# Altium PCB communication.PcbDoc (continued)
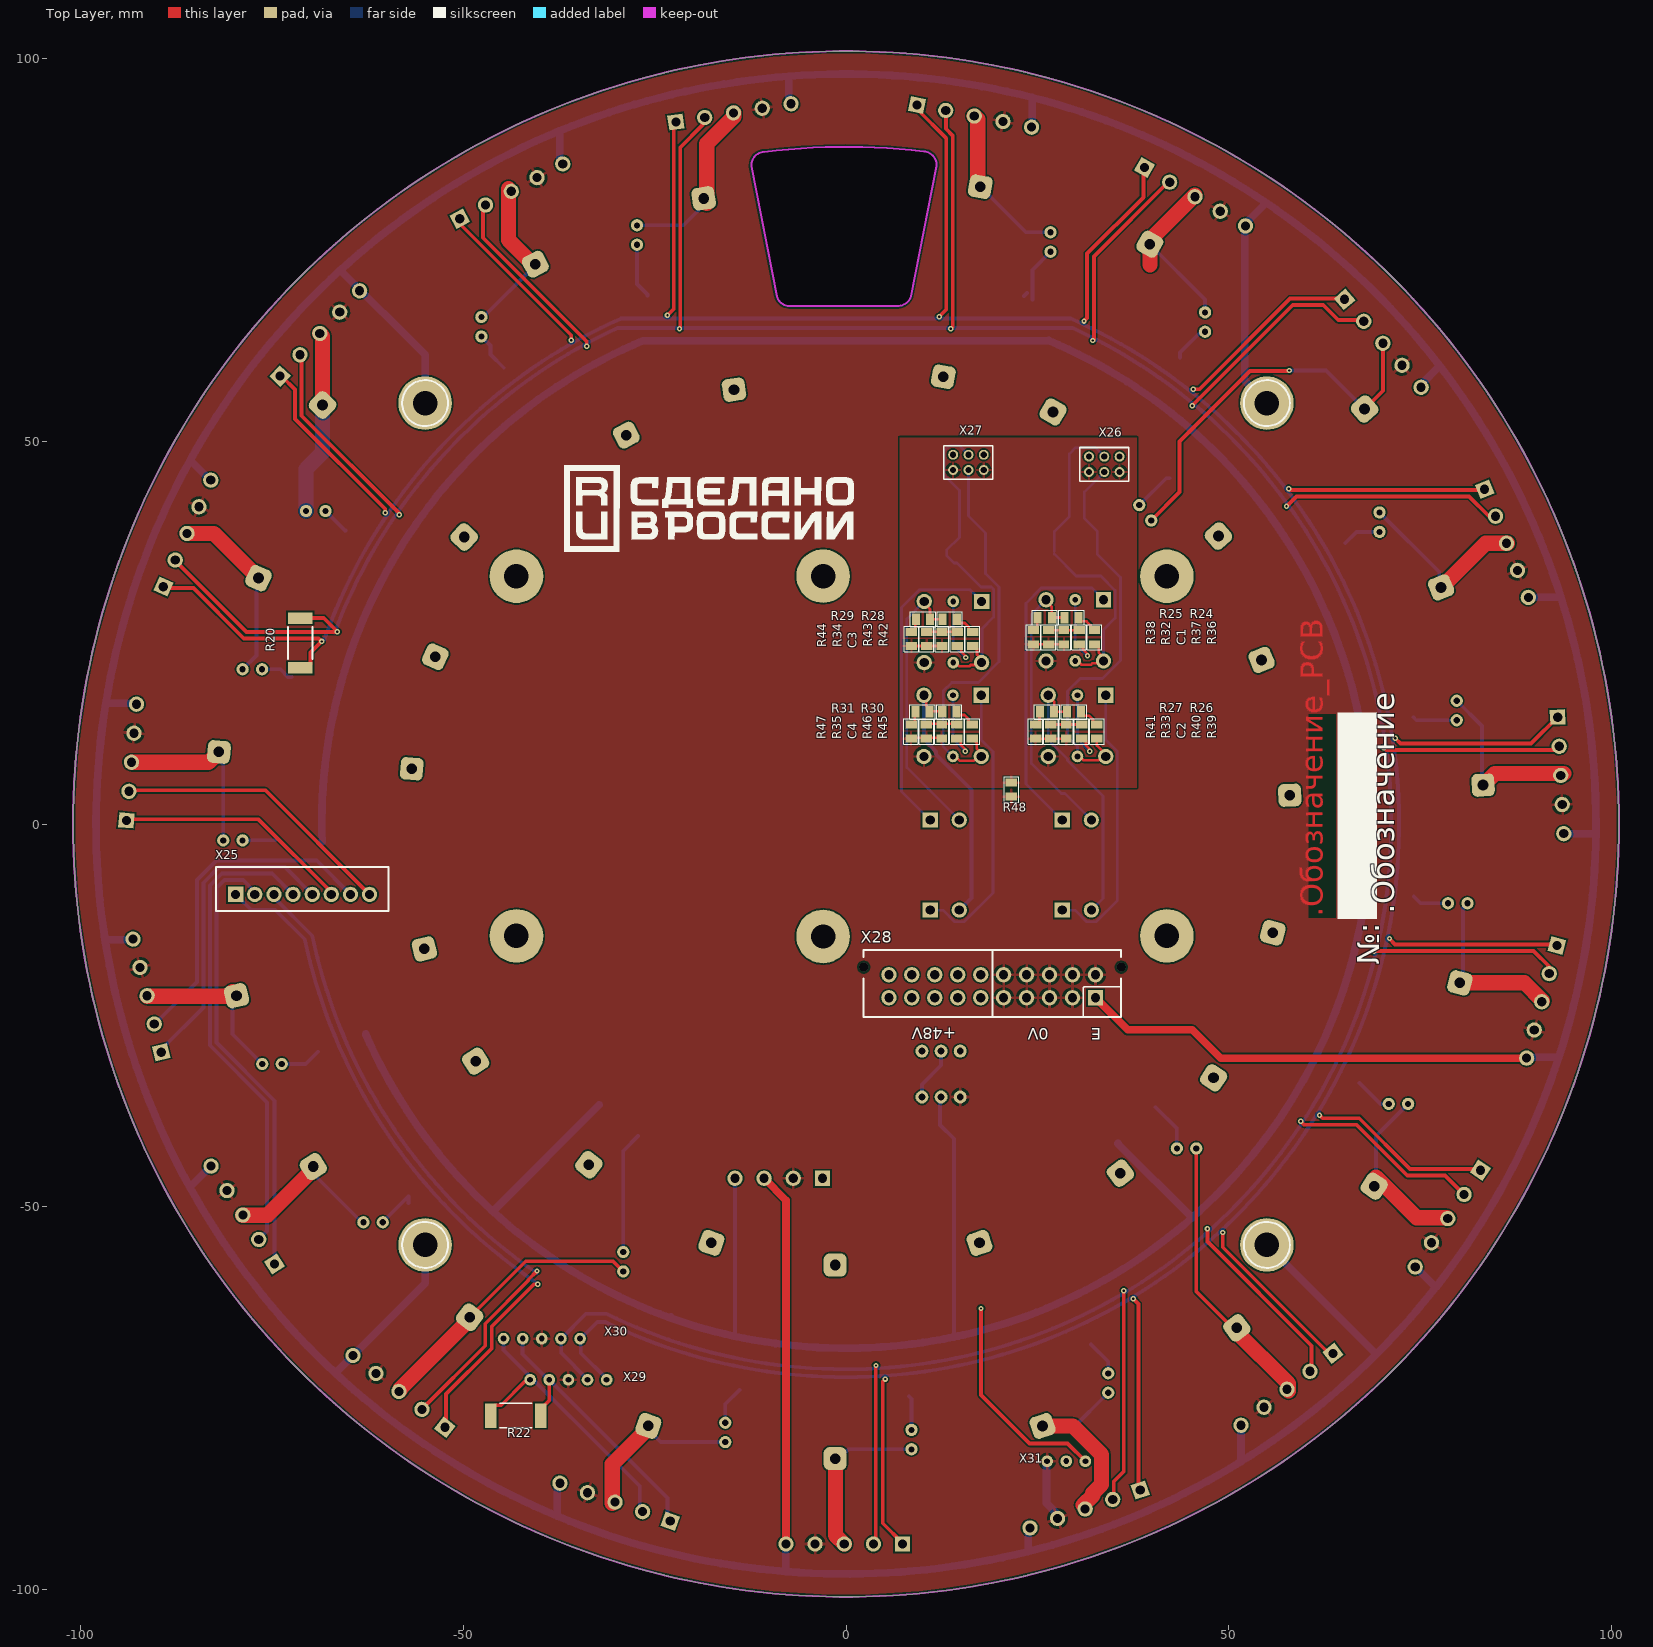
[diagram p0: Top Layer view]
## Components (designator, comment, footprint, x,y, rotation, side; value= is the part's Value field where it differs from the comment) (continued)
R27 "Резистор 5,1 кОм  ± 1%, SMD 0805" RES0805 26.277,14.65 r0 top value=5,1k
R28 "Резистор 5,1 кОм  ± 1%, SMD 0805" RES0805 13.546,26.756 r180 top value=5,1k
R29 "Резистор 5,1 кОм  ± 1%, SMD 0805" RES0805 10.046,26.756 r0 top value=5,1k
R30 "Резистор 5,1 кОм  ± 1%, SMD 0805" RES0805 13.5,14.65 r180 top value=5,1k
R31 "Резистор 5,1 кОм  ± 1%, SMD 0805" RES0805 10,14.65 r0 top value=5,1k
R32 "Резистор 1 кОм  ± 1%, SMD 0805" RES0805 26.472,24.407 r90 top value=1k
R33 "Резистор 1 кОм  ± 1%, SMD 0805" RES0805 26.777,12.075 r90 top value=1k
R34 "Резистор 1 кОм  ± 1%, SMD 0805" RES0805 10.546,24.181 r90 top value=1k
R35 "Резистор 1 кОм  ± 1%, SMD 0805" RES0805 10.5,12.075 r90 top value=1k
R36 "Резистор 0 Ом  ± 5%, SMD 0805" RES0805 32.472,24.407 r90 top value=0
R37 "Резистор 0 Ом  ± 5%, SMD 0805" RES0805 30.472,24.407 r90 top value=0
R38 "Резистор 0 Ом  ± 5%, SMD 0805" RES0805 24.472,24.407 r90 top value=0
R39 "Резистор 0 Ом  ± 5%, SMD 0805" RES0805 32.777,12.075 r90 top value=0
R40 "Резистор 0 Ом  ± 5%, SMD 0805" RES0805 30.777,12.075 r90 top value=0
R41 "Резистор 0 Ом  ± 5%, SMD 0805" RES0805 24.777,12.075 r90 top value=0
R42 "Резистор 0 Ом  ± 5%, SMD 0805" RES0805 16.546,24.181 r90 top value=0
R43 "Резистор 0 Ом  ± 5%, SMD 0805" RES0805 14.546,24.181 r90 top value=0
R44 "Резистор 0 Ом  ± 5%, SMD 0805" RES0805 8.546,24.181 r90 top value=0
R45 "Резистор 0 Ом  ± 5%, SMD 0805" RES0805 16.5,12.075 r90 top value=0
R46 "Резистор 0 Ом  ± 5%, SMD 0805" RES0805 14.5,12.075 r90 top value=0
R47 "Резистор 0 Ом  ± 5%, SMD 0805" RES0805 8.5,12.075 r90 top value=0
R48 "Резистор 120 Ом ± 5 %, SMD 0805" RES0805 21.6,4.5 r90 top value=0
SB1 "Переключатель MPS-850-G" B170H 9.924,-29.678 r0 bottom
T1 "Трансформатор, 3 обм." Balun 33.647,29.312 r180 bottom
T2 "Трансформатор, 3 обм." Balun 33.94,16.83 r180 bottom
T3 "Трансформатор, 3 обм." Balun 17.721,29.086 r180 bottom
T4 "Трансформатор, 3 обм." Balun 17.675,16.83 r180 bottom
VD1 "Диод защитный SMBJ13A" "SMBJ TVS" 27.231,35.621 r90 bottom value="600Вт, 13В"
VD2 "Диод защитный SMBJ13A" "SMBJ TVS" 32.811,35.65 r90 bottom value="600Вт, 13В"
VD3 "Диод защитный SMBJ13A" "SMBJ TVS" 13.16,35.44 r90 bottom value="600Вт, 13В"
VD4 "Диод защитный SMBJ13A" "SMBJ TVS" 18.231,35.4 r90 bottom value="600Вт, 13В"
X1 "Video_Conn_GOST" ECH381V-2P 28.25,0.522 r0 bottom
X2 "Video_Conn_GOST" ECH381V-2P 28.25,-11.25 r0 bottom
X3 "Video_Conn_GOST" ECH381V-2P 11,0.522 r0 bottom
X4 "Video_Conn_GOST" ECH381V-2P 11,-11.25 r0 bottom
X5 "4PinConnector" ECH381V-4PTHT -3.08,-46.3 r180 bottom
X6 "Блок клеммный, EC381V-05P" ECH381V-5PTHT -86.106,37.972 r66 bottom
X7 "Блок клеммный, EC381V-05P" ECH381V-5PTHT -68.755,64.099 r47 bottom
X8 "Блок клеммный, EC381V-05P" ECH381V-5PTHT -43.739,82.677 r28 bottom
X9 "Блок клеммный, EC381V-05P" ECH381V-5PTHT -14.703,92.925 r9 bottom
X10 "Блок клеммный, EC381V-05P" ECH381V-5PTHT 16.767,92.514 r349 bottom
X11 "Блок клеммный, EC381V-05P" ECH381V-5PTHT 45.593,81.966 r330 bottom
X12 "Блок клеммный, EC381V-05P" ECH381V-5PTHT 70.155,62.814 r311 bottom
X13 "Блок клеммный, EC381V-05P" ECH381V-5PTHT 86.309,36.678 r292 bottom
X14 "Блок клеммный, EC381V-05P" ECH381V-5PTHT 93.395,6.348 r273 bottom
X15 "Блок клеммный, EC381V-05P" ECH381V-5PTHT 90.915,-23.236 r255 bottom
X16 "Блок клеммный, EC381V-05P" ECH381V-5PTHT 78.638,-51.562 r236 bottom
X17 "Блок клеммный, EC381V-05P" ECH381V-5PTHT 57.624,-73.867 r218 bottom
X18 "Блок клеммный, EC381V-05P" ECH381V-5PTHT 31.25,-89.5 r199 bottom
X19 "Блок клеммный, EC381V-05P" ECH381V-5PTHT -0.229,-94.082 r180 bottom
X20 "Блок клеммный, EC381V-05P" ECH381V-5PTHT -30.18,-88.616 r161 bottom
X21 "БEC381V-05P" ECH381V-5PTHT -58.42,-74.143 r142 bottom
X22 "БEC381V-05P" ECH381V-5PTHT -78.815,-51.095 r123 bottom
X23 "БEC381V-05P" ECH381V-5PTHT -91.32,-22.44 r104 bottom
X24 "БEC381V-05P" ECH381V-5PTHT -93.372,8.066 r85 bottom
X25 "Разъем CWF-8 (DS1069-8 M), вилка на плату шаг контактов 2.50мм" CWF-8 -79.756,-9.195 r0 top value=RS3
X26 "Разъем PBD-6" 791077002 33.75,47 r180 top value=PBD-6
X27 "Разъем PBD-6" 791077002 16,47.25 r180 top value=PBD-6
X28 "Разъем Molex Micro-Fit 3.0, 20 контактов, на плату" "PWR CONN" 32.6,-22.7 r180 top value=Power
X29 "5PinConn_GOST" PBS-5 -36.275,-72.63 r0 top value=CWF-5
X30 "5PinConn_GOST" PBS-5 -39.75,-67.25 r0 top value=CWF-5
X31 "3PinConn_GOST" PBS-3 28.78,-83.26 r180 top value=Power

## Footprints (in the part's own frame and the unit in brackets; to place one, negate y for a bottom-side part, rotate by r counter-clockwise, add the part's x,y. Pads: shape width x height; smd on the part's side, far side on the other; paste and mask are expansions set on the pad)
791077002 [mm] "6 pin 2.00mm Pitch Milli-Grid Receptacle, Vertical, Through Hole, Dual Row, 3.00mm Tail Length, 0.38µm Gold (Au) Selective Plating, 6 Circuits, Lead-Free"
  round 1.3 hole 0.8: 1(2,1) 2(2,-1) 3(0,1) 4(0,-1) 5(-2,1) 6(-2,-1)
  silkscreen extent -3.2,-2.2 3.2,2.2, body extent -3.09,-2.09 3.1,2.1, height 4.52
B170H [mm]
  round 1.7 hole 0.9: 1(0,6) 2(2.5,6) 3(5,6) 4(0,0) 5(2.5,0) 6(5,0)
  silkscreen extent -1.91,-1.55 6.86,7.75, body extent -1.46,-1.02 6.54,6.98, height 13.2
Balun [mm]
  rect 2x2 hole 1.2: 1(0,0)
  round 2 hole 1.2: 2(0,-8) 5(7.5,0) 6(7.5,-8)
  round 1.524 hole 0.762: 3(3.7,0) 4(3.7,-8)
  silkscreen extent -1.7,-9.53 9.2,1.91, body extent -1.7,-9.3 9.3,1.7, height 7.99
CAP0805 [mm] "Chip Capacitor, 2-Leads, Body 2,00x1,20mm, IPC Medium Density"
  rect 1.05x1.4 smd: 1(-0.925,0) 2(0.925,0)
  silkscreen extent -1.65,-0.9 1.65,0.9, body extent -1.1,-0.7 1.1,0.7, height 0.6
CWF-8 [mm] "CWF-8"
  rect 2x2 hole 1.2: 1(0,0)
  round 2 hole 1.2: 2(2.5,0) 3(5,0) 4(7.5,0) 5(10,0) 6(12.5,0) 7(15,0) 8(17.5,0)
  silkscreen extent -2.55,-2.2 20,3.55, body extent -2.5,-2.2 20,3.55, height 7
ECH381V-2P [mm]
  rect 2x2 hole 1.2: 1(0,0)
  round 2 hole 1.2: 2(3.81,0)
  silkscreen extent -2.4,-2.93 6.17,4.13, body extent -2.4,-6.1 6.21,5, height 18.02
ECH381V-4PTHT [mm] "ECH381V-4PTHT"
  rect 2x2 hole 1.2: 1(0,0)
  round 2 hole 1.2: 2(3.81,0) 3(7.62,0) 4(11.43,0)
  silkscreen extent -2.4,-2.9 13.8,4.1, body extent -2.4,-6.15 13.83,4.95, height 18.02
ECH381V-5PTHT [mm] "ECH381V-5PTHT"
  rect 2x2 hole 1.2: 1(-7.62,0)
  round 2 hole 1.2: 2(-3.81,0) 3(0,0) 4(3.81,0) 5(7.62,0)
  silkscreen extent -10.02,-6.27 10.05,4.87, body extent -10.02,-3 10.02,4.2, height 9
FH-520 [mm]
  rrect50% 3x3 hole 1.4: 1(-12.576,-0.035) 2(12.724,-0.035)
  body extent -12.65,-4.83 12.8,4.77, height 11.5
"LED BI" [mm]
  round 1.6 hole 0.8: 1(0,0) 2(2.54,0)
  silkscreen extent -1.69,-2.96 3.81,2.96, body extent -1.68,-2.5 4.22,2.95, height 8.6
PBS-3 [mil] "3 pin female"
  round 60 hole 30: 1(-98.43,0.79) 2(0,0) 3(98.43,0.79)
  body extent -150,-49 150,51, height 321
PBS-5 [mil]
  round 60 hole 30: 1(-196.85,0) 2(-98.43,0) 3(0,0) 4(98.43,0) 5(196.85,0)
  body extent -257,-49 263,49, height 177
"PWR CONN" [mm] "MMF-2x10S"
  round 0 hole 1.2 unplated: 0(-3.363,-4) 0(30.287,-4)
  rect 2x2 hole 1.2: 1(0,0)
  round 2 hole 1.2: 2(0,-3) 3(3,0) 4(3,-3) 5(6,0) 6(6,-3) 7(9,0) 8(9,-3) 9(12,0) 10(12,-3) 11(15,0) 12(15,-3) 13(18,0) 14(18,-3) 15(21,0) 16(21,-3) 17(24,0) 18(24,-3) 19(27,0) 20(27,-3)
  silkscreen extent -3.36,-6.26 30.29,2.5, body extent -3.36,-6.26 30.29,2.5, height 9.9
R2512#1 [mm] "2512"
  rect 2x3.2 smd: 1(0,0) 2(6.5,0)
  silkscreen extent -1.52,-2.15 8,2.15, body extent -0.03,-1.73 6.58,1.73, height 0.55
R2512#2 [mm] "2512"
  rect 1.5x3.2 smd: 1(-3.25,0) 2(3.25,0)
  silkscreen extent -2.1,-1.6 2.1,1.6, body extent -3.22,-1.68 3.22,1.62, height 0.6
RES0805 [mm] "Chip Resistor, 2-Leads, Body 2,00x1,20mm, IPC Medium Density"
  rect 1.05x1.5 smd: 1(-0.925,0) 2(0.925,0)
  silkscreen extent -1.65,-0.95 1.65,0.95, body extent -1.1,-0.7 1.1,0.7, height 0.6
"SMBJ TVS" [mm]
  rect 3x2.3 smd: +(0,0) -(6,0)
  silkscreen extent -2.29,-1.91 8.25,1.91, body extent 0.61,-2.08 5.36,2.07, height 2.5

## Part data
C1 C2 C3 C4: library part Capacitor_GOST, "Конденсатор", Manufacturer="Murata Electronics", Power/Voltage=50V, Accuracy=5%, CompType="Керамический конд. 0805 63В", Foot=0805, ProductCode=GRM2165C1H101JA01D
F1 F2 F3 F4 F5 F6 F7 F8 F9 F10 F11 F12 F13 F14 F15 F16 F17 F18 F19: library part Fuse_GOST, Manufacturer=Siba, CompType="Предохранитель 5х20", ProductCode=179021.1
HL1 HL2 HL3 HL4 HL5 HL6 HL7 HL8 HL9 HL10 HL11 HL12 HL13 HL14 HL15 HL16 HL17 HL18 HL19: library part LED_bi_gost, Manufacturer=Arlight, ProductCode=ARL-5013EGC/2L
R1 R20 R22 R24 R25 R26 R27 R28 R29 R30 R31 R32 R33 R34 R35 R36 R37 R38 R39 R40 R41 R42 R43 R44 R45 R46 R47 R48: library part resistor_Gost, "SMD resistor", Manufacturer=Тайвань, Power/Voltage=0.125Вт, Accuracy=5%
  R1: CompType="Чип резистор", Foot=R2512, FullName="Чип резисторR25126,8k5%", ProductCode=RC2512JR-076K8L
  R20 R22: CompType="Чип резистор", Foot=0805, FullName="Чип резистор08051205%", ProductCode="0.125Вт 0805 120 Ом, 5%"
  R24 R25 R26 R27 R28 R29 R30 R31: CompType="Чип резистор", Foot=0805, FullName="Чип резистор08055,1k5%", ProductCode=RC0805FR-075K1L
  R32 R33 R34 R35: CompType="Чип резистор", Foot=0805, FullName="Чип резистор08051k5%", ProductCode=RC0805FR-071KL
  R36 R37 R38 R39 R40 R41 R42 R43 R44 R45 R46 R47: CompType="Резистор 0 Ом  ± 5%, SMD 0805", Foot=0805, FullName="Резистор 0 Ом  ± 5%, SMD 0805080505%", ProductCode=RC0805JR-070RL
  R48: CompType="Чип резистор", Foot=0805, FullName="Чип резистор080505%", ProductCode="0.125Вт 0805 120 Ом, 5%"
R2 R3 R4 R5 R6 R7 R8 R9 R10 R11 R12 R13 R14 R15 R16 R17 R18 R23: library part resistor_Gost, "SMD resistor", Manufacturer=RC2512JR-076K8L, Power/Voltage=0.125Вт, Accuracy=5%, CompType="Чип резистор", Foot=R2512, FullName="Чип резисторR25126,8k5%", ProductCode=Тайвань
SB1: library part BUTTON_x2_GOST, "Кнопочный переключатель с фиксацией", Manufacturer="SWITRONIC INDUSTRIAL CORP.", Model=MPS-850-G, ProductCode=MPS-850-G
T1 T2 T3 T4: library part balun_GOST, "Балун на RC в 3 обмотки"
VD1 VD2 VD3 VD4: library part TVS_diode_(bipolar)_gost, Manufacturer=STMicroelectronics, CompType="Диод защитный SMBJ13A", ProductCode=SMBJ13A-TR
X1 X2 X3 X4: Manufacturer="Dinkle Enterprise", 1=Video+, 2=Video-, Name=ECH381V-02P, ProductCode=8001888222
X5: library part 4PinConn_Gost, Manufacturer="Ningbo Xinya M&E", 1=+V, 2=0V, 3=E, 4=Test, Name=ECH-4, ProductCode=XY2500VE-3.81-4P-14
X6 X7 X8 X9 X10 X11 X12 X13 X14 X15 X16 X17 X18 X19 X20: library part "BUS CONN_GOST", Manufacturer="Dinkle Enterprise", 3=+48V, 4=0V, 5=EARTH, Model=EC381V-05P, ProductCode=8001780715
  X6 X7 X8 X9 X10 X11 X12 X13 X14 X15 X16 X17 X18 X19: 1=A, 2=B
  X20: 1=A2, 2=B2
X21 X22 X23 X24: library part BUS_RS232GOST_CONN, Manufacturer="Dinkle Enterprise", 1=IN, 2=OUT, 3=+48V, 4=0V, 5=EARTH, Model=EC381V-05P, ProductCode=8001780715
X25: library part 8pinConn_GOST, Manufacturer="Connfly electronic (Zhenqin)", 1=IN1, 2=IN2, 3=OUT1, 4=OUT2, 5=IN3, 6=IN4, 7=OUT3, 8=OUT4, ProductCode="CWF-8 (DS1069-8 M)"
X26 X27: library part 6PinConn_GOST, "Коннектор, 6 пин", 1=AGND, 2=NC, 3="VIDEO 2", 4="VIDEO 1", 5=AGND, 6=NC, Manyfacturer="Connfly electronic (Zhenqin)", ProductCode=DS1023-2*3S21
X28: library part 20PinConn_GOST, Manufacturer=Molex, 1=E, 2=0V, 3=0V, 4=0V, 5=0V, 6=0V, 7=0V, 8=0V, 9=0V, 10=0V, 11=+48V, 12=+48V, 13=+48V, 14=+48V, 15=+48V, 16=+48V, 17=+48V, 18=+48V, 19=+48V, 20=+48V, ProductCode=430452009
X29 X30 X31: Manufacturer="Connfly electronic (Zhenqin)", 3=0V
  X29 X30: 1="RS 485 B2", 2="RS 485 A2", 4="RS 485 B1", 5="RS 485 A1", ProductCode="PBS-5 (DS-1023 - 1x5)"
  X31: 1=+48V, 2=NC, ProductCode="PBS-3 (DS-1023 - 1x3)"

## Free pads (board coordinates)
  round 7 hole 3.2: 1(-55,-55) 1(-55,55) 1(-43.06,-14.63) 1(-43.06,32.37) 1(-3,-14.7) 1(-3,32.4) 1(41.94,-14.63) 1(41.94,32.37) 1(55,-55) 1(55,55)

## Via types
v1: diameter 0.7, hole 0.3, Top Layer to Bottom Layer, tented both sides, 36 vias

## Nets (pads, with @x,y where several pads share a name; then routed paths per layer and width w, separated by ;. In a path a pad name is that pad's centre, name@x,y a point inside that pad or via, vN(x,y) a via of type N, cw(c..) or ccw(c..) an arc to the next point about the centre after c; other vN are vias at no path point)
0V: R48.1 SB1.3 X5.2 X6.4 X7.4 X8.4 X9.4 X10.4 X11.4 X12.4 X13.4 X14.4 X15.4 X16.4 X17.4 X18.4 X19.4 X20.4 X21.4 X22.4 X23.4 X24.4 X28.2 X28.3 X28.4 X28.5 X28.6 X28.7 X28.8 X28.9 X28.10 X29.3 X30.3 X31.3 | length 7.5
  Bottom Layer w1: X31.3@26.2,-83.28 26.2,-88.772 27.398,-89.97 X18.4@27.398,-90.24
+48V: F1.2 F2.2 F3.2 F4.2 F5.2 F6.2 F7.2 F8.2 F9.2 F10.2 F11.2 F12.2 F13.2 F14.2 F15.2 F16.2 F17.2 F18.2 F19.2 SB1.4 X5.1 X28.11 X28.12 X28.13 X28.14 X28.15 X28.16 X28.17 X28.18 X28.19 X28.20 X31.1 | length 28.5
  Top Layer w0.5: v1(17.635,-63.315) 17.635,-74.602 23.995,-80.962 28.962,-80.962 X31.1
A: R20.2 X6.1 X7.1 X8.1 X9.1 X10.1 X11.1 X12.1 X13.1 X14.1 X15.1 X16.1 X17.1 X18.1 X19.1 X29.5 X30.5 | length 699.3
  Top Layer w0.5: X6.1@-89.103,30.833 -85.28,30.833 -78.695,24.248 -68.912,24.248 v1(-68.522,23.858) -69.966,22.414 -69.966,20.912 -70.466,20.412 R20.2 ; X7.1@-73.724,58.5 -71.986,56.762 -71.986,52.925 -60.216,41.155 v1(-60.216,40.673) ; X8.1@-50.806,79.416 -50.806,78.761 -35.908,63.863 v1(-35.908,63.228) ; v1(-23.335,66.479) -22.499,67.315 X9.1@-22.499,91.607 ; v1(5.113,-72.535) 4.808,-72.84 4.808,-91.382 X19.1@7.374,-93.947 ; X10.1@9.307,93.708 9.307,93.4 13.089,89.618 13.089,67.19 v1(12.174,66.276) ; v1(31.097,65.717) 31.506,66.126 31.506,74.533 38.862,81.889 X11.1@38.862,85.805 ; v1(37.549,-62.045) 37.549,-62.067 38.205,-62.723 X18.1@38.205,-86.519 ; v1(45.372,56.802) 46.185,56.802 58.034,68.65 X12.1@64.844,68.65 ; v1(49.233,-53.384) 49.233,-55.314 63.344,-69.425 X17.1@63.847,-69.425 ; v1(57.843,43.822) 58.004,43.662 X13.1@83.403,43.662 ; v1(61.882,-38.042) 62.288,-38.448 67.064,-38.448 73.701,-45.086 X16.1@82.703,-45.086 ; v1(71.026,-14.953) 71.026,-15.004 71.75,-15.728 X15.1@92.911,-15.728 ; v1(71.763,11.209) 72.448,10.523 89.532,10.523 X14.1@93.203,14.193
  Bottom Layer w0.5: -68.166,24.113 cw(c0,0) -29.419,66.05 ; X29.5@-31.184,-72.608 -34.659,-69.133 -34.659,-67.228 -32.5,-65.069 -31.48,-65.069 ccw(c0,0) 29.34,66.061 ; -29.419,66.056 29.337,66.056
A2: R22.2 X20.1 X29.2 X30.2 | length 37.4
  Top Layer w0.5: R22.2 -39.903,-76.444 -38.775,-75.317 X29.2 ; X20.1@-23.343,-91.261 X20.1@-23.011,-91.261
  Bottom Layer w0.5: X30.2@-42.279,-67.228 -42.279,-69.268 -38.939,-72.608 -38.804,-72.608 -23.343,-88.07 X20.1@-23.343,-91.261
AGND: C1.2 C2.2 C3.2 C4.2 R32.1 R33.1 R34.1 R35.1 R38.1 R41.1 R44.1 R47.1 R48.2 T1.6 T2.6 T3.6 T4.6 X26.1 X26.5 X27.1 X27.5 | length 16
  Top Layer w0.35: R47.1@8.5,11.25 10.5,11.25 C4.2@12.5,11.25 ; R44.1 R34.1 C3.2 ; R38.1 R32.1 C1.2 ; R41.1 R33.1 C2.2
B: R20.1 X6.2 X7.2 X8.2 X9.2 X10.2 X11.2 X12.2 X13.2 X14.2 X15.2 X16.2 X17.2 X18.2 X19.2 X29.4 X30.4 | length 724.8
  Top Layer w0.5: X6.2@-87.563,34.318 -78.343,25.098 -66.494,25.098 v1(-66.464,25.128) -68.248,26.912 R20.1 ; X7.2@-71.136,61.296 -71.136,53.345 -58.362,40.571 v1(-58.362,40.393) ; X8.2@-47.452,81.222 -47.452,76.609 -33.876,63.033 v1(-33.876,62.44) ; v1(-21.76,64.701) -21.649,64.812 -21.649,88.434 -18.739,91.344 X9.2@-18.739,92.222 ; X19.2@3.564,-93.947 3.878,-93.633 3.878,-70.798 v1(3.919,-70.757) ; X10.2@13.063,93.073 13.063,90.846 13.939,89.97 13.939,64.967 v1(13.673,64.701) ; v1(32.24,63.177) 32.393,63.329 32.393,74.167 X11.2@42.207,83.981 ; X18.2@34.556,-87.76 34.799,-87.76 34.992,-87.567 34.992,-85.938 36.297,-84.633 36.297,-60.986 v1(36.304,-60.978) ; v1(45.245,54.668) 45.253,54.668 58.386,67.8 62.364,67.8 64.323,65.841 X12.2@67.418,65.841 ; v1(47.226,-52.901) 47.226,-54.577 60.833,-68.184 X17.2@60.833,-71.755 ; v1(57.564,41.511) 58.865,42.812 81.409,42.812 84.053,40.168 X13.2@84.923,40.168 ; v1(59.418,-38.855) 59.862,-39.298 66.712,-39.298 73.349,-45.936 78.275,-45.936 X16.2@80.605,-48.267 ; v1(68.994,-16.655) 69.071,-16.578 89.846,-16.578 91.963,-18.695 X15.2@91.963,-19.418 ; v1(70.289,9.964) 70.594,9.659 92.766,9.659 X14.2@93.502,10.395
  Bottom Layer w0.5: -66.827,24.997 cw(c0,0) -29.818,64.819 ; X29.4@-33.724,-72.608 -33.759,-72.574 -37.199,-69.133 -37.199,-67.228 -33.972,-64.001 -31.312,-64.001 ; -31.312,-64.005 ccw(c0,0) 29.595,64.817 ; -29.794,64.821 29.566,64.821
B2: R22.1 X20.2 X29.1 X30.1 | length 37.7
  Top Layer w0.5: R22.1 -46.403,-76.444 -45.903,-75.944 -45.053,-75.944 -41.934,-72.826 -41.471,-72.826 X29.1
  Bottom Layer w0.5: X30.1 -44.75,-68.726 -26.941,-86.535 X20.2@-26.941,-90.008
E: pad.1@55,55 pad.1@55,-55 pad.1@-55,55 pad.1@-55,-55 X5.3 X6.5 X7.5 X8.5 X9.5 X10.5 X11.5 X12.5 X13.5 X14.5 X15.5 X16.5 X17.5 X18.5 X19.5 X20.5 X21.5 X22.5 X23.5 X24.5 X28.1 | length 879.2
  Top Layer w1: X5.3 -7.849,-49.151 X19.5 ; X28.1 36.798,-26.898 45.268,-26.898 48.966,-30.597 X15.5
  Bottom Layer w1: X23.5@-93.156,-15.115 -96.827,-15.115 ; X24.5@-92.982,15.791 -96.719,15.791 ; -85.697,-47.54 ccw(c0,0) -66.76,-71.744 ; X22.5@-83.01,-44.734 -85.739,-47.463 cw(c0,0) -96.827,-15.115 ; X6.5@-82.941,44.772 -85.701,47.532 ; pad.1@-55,-55 -55,-59.984 -66.76,-71.744 ; pad.1@-55,55 -55,61.313 -66.068,72.381 ; X20.5@-37.735,-86.249 -37.735,-90.444 ; X8.5@-37.388,86.641 -37.388,90.588 ; X19.5@-7.866,-93.947 -7.866,-97.684 ; X9.5@-7.459,94.07 -7.459,97.716 ; X18.5@23.795,-91.481 23.795,-95.018 23.729,-95.084 ; X10.5@24.333,91.167 24.333,94.931 ; X17.5 51.619,-83.293 51.626,-83.299 ; X11.5@52.096,78.463 52.096,57.904 pad.1@55,55 ; X11.5@52.242,78.51 54.907,81.174 ; pad.1@55,-55 69.296,-69.296 ; X16.5@74.313,-57.809 77.056,-60.551 ; X12.5@75.14,57.414 77.59,59.864 ; X15.5@89.121,-30.489 93.137,-30.489 ; X13.5 93.323,29.612 93.396,29.686 ; X14.5 97.733,-1.262 97.995,-1 ; -96.827,-15.115 cw(c0,0) -96.719,15.791 ; -96.719,15.791 cw(c0,0) -85.701,47.532 ; -85.701,47.532 cw(c0,0) -66.068,72.381 ; -66.76,-71.744 ccw(c0,0) -37.735,-90.444 ; -66.068,72.381 cw(c0,0) -37.388,90.588 ; -37.735,-90.444 ccw(c0,0) -7.866,-97.684 ; -37.388,90.588 cw(c0,0) -7.459,97.716 ; -7.866,-97.684 ccw(c0,0) 23.729,-95.084 ; -7.459,97.716 cw(c0,0) 24.333,94.931 ; 23.729,-95.084 ccw(c0,0) 51.626,-83.299 ; 24.333,94.931 cw(c0,0) 54.907,81.174 ; 51.626,-83.299 ccw(c0,0) 54.495,-81.451 ccw(c0,0) 69.296,-69.296 ; 54.907,81.174 cw(c0,0) 77.59,59.864 ; 69.296,-69.296 ccw(c0,0) 77.056,-60.551 ; 77.056,-60.551 ccw(c0,0) 93.137,-30.489 ; 77.59,59.864 cw(c0,0) 93.396,29.686 ; 93.137,-30.489 ccw(c0,0) 97.995,-1 ; 93.396,29.686 cw(c0,0) 98,0 cw(c0,0) 97.995,-1
NetC1_1: C1.1 R32.2 R37.2 | length 4
  Top Layer w0.35: R32.2 R37.2
NetC2_1: C2.1 R33.2 R40.2 | length 4
  Top Layer w0.35: R33.2 R40.2
NetC3_1: C3.1 R34.2 R43.2 | length 4
  Top Layer w0.35: R34.2 R43.2
NetC4_1: C4.1 R35.2 R46.2 | length 4
  Top Layer w0.35: R35.2@10.5,13.1 12.5,13.1 R46.2@14.5,13.1
NetF1_1: F1.1 HL1.2 X6.3 | length 23.7
  Top Layer w2: X6.3 -82.606,37.972 F1.1
  Bottom Layer w0.5: HL1.2 -77.031,22.028 F1.1@-77.031,31.402
NetF2_1: F2.1 HL2.2 X7.3 | length 24.2
  Top Layer w2: X7.3 -68.403,63.747 F2.1
  Bottom Layer w2: HL2.2 -70.554,46.381 -68.403,48.531 F2.1
NetF3_1: F3.1 HL3.2 X8.3 | length 21.5
  Top Layer w2: X8.3@-44.097,83.028 -44.097,82.677 -44.097,76.319 F3.1@-40.582,72.804
  Bottom Layer w0.5: HL3.2 -47.396,66.243 -40.836,72.804 F3.1@-40.582,72.804
NetF4_1: F4.1 HL4.2 X9.3 | length 22.6
  Top Layer w2: F4.1@-18.204,81.109 -18.204,83.191 -18.204,88.882 -14.677,92.409 X9.3@-14.677,92.9
  Bottom Layer w0.5: HL4.2 -21.234,78.232 F4.1@-18.923,80.543
NetF5_1: F5.1 HL5.2 X10.3 | length 21.2
  Top Layer w2: X10.3 17.203,92.078 17.203,83.63 F5.1
  Bottom Layer w0.5: F5.1 23.508,77.325 HL5.2
NetF6_1: F6.1 HL6.2 X11.3 | length 23.4
  Top Layer w2: 39.733,73.083 39.733,76.339 X11.3@45.552,82.158
  Bottom Layer w0.5: F6.1 46.921,68.537 HL6.2
NetF7_1: F7.1 HL7.2 X12.3 | length 51.4
  Top Layer w0.5: HL7.2 43.587,43.362 43.587,49.987 52.807,59.207 v1@57.836,59.207 ; F7.1 70.155,56.615 X12.3
  Bottom Layer w0.5: v1(57.938,59.258) 62.73,59.258 F7.1
NetF8_1: F8.1 HL8.2 X13.3 | length 24.7
  Top Layer w2: F8.1@77.528,30.64 83.562,36.674 X13.3@86.442,36.674
  Bottom Layer w0.5: HL8.2 77.528,32.911 F8.1@77.528,30.64
NetF9_1: F9.1 HL9.2 X14.3 | length 24
  Top Layer w2: F9.1@83.091,4.909 84.779,6.597 X14.3@93.801,6.597
  Bottom Layer w0.5: HL9.2 83.091,12.819 F9.1@83.091,4.909
NetF10_1: F10.1 HL10.2 X15.3 | length 22
  Top Layer w2: F10.1@80.627,-20.745 88.652,-20.745 X15.3@91.016,-23.109
  Bottom Layer w0.5: F10.1@80.627,-20.745 80.627,-10.94 HL10.2
NetF11_1: F11.1 HL11.2 X16.3 | length 22.8
  Top Layer w2: F11.1@69.248,-46.145 74.551,-51.447 X16.3@78.508,-51.447
  Bottom Layer w0.5: F11.1@69.248,-46.145 69.248,-40.785 HL11.2
NetF12_1: F12.1 HL12.2 X17.3 | length 36.7
  Top Layer w0.5: HL12.2 45.771,-61.072 F12.1@50.731,-66.033
  Top Layer w2: F12.1@50.731,-66.033 57.818,-73.119 X17.3@57.818,-74.085
NetF13_1: F13.1 HL13.2 X18.3 | length 28
  Top Layer w2: F13.1 29.645,-78.659 33.392,-82.405 33.392,-86.308 32.25,-87.45 32.25,-87.75 X18.3@31,-89
  Bottom Layer w0.5: F13.1@25.147,-79.298 F13.1@25.471,-78.974 ; F13.1@25.535,-79.038 29.548,-79.038 HL13.2
NetF14_1: F14.1 HL14.2 X19.3 | length 22
  Top Layer w2: F14.1 -1.361,-82.992 -1.361,-92.949 X19.3
  Bottom Layer w0.5: F14.1@-1.186,-83.229 0.33,-81.712 HL14.2
NetF15_1: F15.1 HL15.2 X20.3 | length 22.5
  Top Layer w2: X20.3@-30.539,-88.755 -30.539,-83.625 F15.1@-25.951,-79.038
  Bottom Layer w0.5: F15.1@-25.951,-79.038 -24.217,-80.772 HL15.2
NetF16_1: F16.1 HL16.2 X21.3 | length 36.8
  Top Layer w0.5: F16.1 -41.844,-57.128 -30.437,-57.128 HL16.2
  Top Layer w2: X21.3@-58.261,-73.943 -58.261,-73.806 F16.1@-49.044,-64.589
NetF17_1: F17.1 HL17.2 X22.3 | length 21.5
  Top Layer w2: X22.3@-78.837,-51.11 -75.621,-51.11 F17.1@-69.715,-45.205
  Bottom Layer w0.5: F17.1@-70.147,-45.179 -63.282,-52.045 HL17.2
NetF18_1: F18.1 HL18.2 X23.3 | length 22.4
  Top Layer w2: X23.3@-91.313,-22.509 -80.751,-22.509 F18.1@-80.18,-21.938
  Bottom Layer w0.5: F18.1@-80.18,-21.938 -80.18,-27.465 HL18.2
NetF19_1: F19.1 HL19.2 X24.3 | length 23.6
  Top Layer w2: X24.3 -83.303,8.066 F19.1
  Bottom Layer w0.5: F19.1@-82.568,8.948 -81.381,7.762 HL19.2
NetHL1_1: HL1.1 R1.1 | length 4.3
  Bottom Layer w0.5: HL1.1 -73.913,20.217 -72.898,19.202 R1.1
NetHL2_1: HL2.1 R2.1 | length 3.7
  Bottom Layer w0.5: HL2.1 -65.474,38.361 R2.1
NetHL3_1: HL3.1 R3.1 | length 5.3
  Bottom Layer w0.5: HL3.1 -46.472,62.525 -46.472,61.371 R3.1
NetHL4_1: HL4.1 R4.1 | length 7.2
  Bottom Layer w0.5: HL4.1 -27.305,70.573 -25.926,69.194 R4.1
NetHL5_1: HL5.1 R5.1 | length 7.8
  Bottom Layer w0.5: R5.1@23.267,68.986 R5.1@23.673,69.393 ; R5.1 24.359,72.415 HL5.1
NetHL6_1: HL6.1 R6.1 | length 4.9
  Bottom Layer w0.5: R6.1 43.663,61.595 46.482,64.414 HL6.1@46.482,64.617
NetHL7_1: HL7.1 R7.1 | length 5.4
  Bottom Layer w0.5: HL7.1 41.846,45.186 R7.1
NetHL8_1: HL8.1 R8.1 | length 5.1
  Bottom Layer w0.5: R8.1 66.726,38.176 HL8.1
NetHL9_1: HL9.1 R9.1 | length 5.8
  Bottom Layer w0.5: R9.1 74.524,13.563 HL9.1
NetHL10_1: HL10.1 R10.1 | length 4.8
  Bottom Layer w0.5: R10.1 75.083,-10.363 HL10.1
NetHL11_1: HL11.1 R11.1 | length 4.9
  Bottom Layer w0.5: R11.1 69.825,-36.576 HL11.1
NetHL12_1: HL12.1 R12.1 | length 6.5
  Bottom Layer w0.5: R12.1 43.231,-39.802 HL12.1
NetHL13_1: HL13.1 R13.1 | length 4.7
  Bottom Layer w0.5: R13.1 34.265,-70.257 HL13.1
NetHL14_1: HL14.1 R14.1 | length 4.5
  Bottom Layer w0.5: R14.1 8.56,-75.108 HL14.1
NetHL15_1: HL15.1 R15.1 | length 5.1
  Bottom Layer w0.5: HL15.1 -15.773,-75.794 R15.1
NetHL16_1: HL16.1 R16.1 | length 15.9
  Bottom Layer w0.5: HL16.1 -29.101,-42.716 R16.1
NetHL17_1: HL17.1 R17.1 | length 5.7
  Bottom Layer w0.5: HL17.1 -60.528,-52.019 R17.1 R17.1@-57.15,-49.53
NetHL18_1: HL18.1 R18.1 | length 5.4
  Bottom Layer w0.5: HL18.1 -70.586,-31.369 R18.1
NetHL19_1: HL19.1 R23.1 | length 4.3
  Bottom Layer w0.5: HL19.1 -74.6,-2.134 R23.1
NetR24_1: R24.1 R36.2 | length 3.1
  Top Layer w0.35: R24.1 30.397,26.757 30.672,26.482 31.446,26.482 31.972,25.955 31.972,25.607 32.247,25.332 R36.2
NetR25_1: R25.1 R38.2 | length 2
  Top Layer w0.35: R38.2 24.697,25.332 24.972,25.607 24.972,26.907 R25.1
NetR26_1: R26.1 R39.2 | length 3.1
  Top Layer w0.35: R26.1 30.702,14.425 30.977,14.15 31.751,14.15 32.277,13.624 32.277,13.275 32.552,13 R39.2
NetR27_1: R27.1 R41.2 | length 2
  Top Layer w0.35: R41.2 25.002,13 25.277,13.275 25.277,14.575 R27.1
NetR28_1: R28.1 R42.2 | length 3.1
  Top Layer w0.35: R28.1 14.471,26.531 14.746,26.256 15.52,26.256 16.046,25.729 16.046,25.381 16.321,25.106 R42.2
NetR29_1: R29.1 R44.2 | length 2
  Top Layer w0.35: R44.2 8.771,25.106 9.046,25.381 9.046,26.681 R29.1
NetR30_1: R30.1 R45.2 | length 3.1
  Top Layer w0.35: R30.1@14.425,14.75 14.425,14.525 14.7,14.25 15.474,14.25 16,13.724 16,13.375 16.275,13.1 R45.2@16.5,13.1
NetR31_1: R31.1 R47.2 | length 2
  Top Layer w0.35: R47.2@8.5,13.1 8.725,13.1 9,13.375 9,14.675 R31.1@9.075,14.75
NetR37_1: R37.1 T1.3 | length 10.1
  Top Layer w0.35: R37.1 30.697,23.482 30.972,23.207 30.972,22.78 31.559,22.194 v1(31.559,21.985)
  Bottom Layer w0.35: T1.3 29.947,23.597 v1(31.559,21.985)
NetR40_1: R40.1 T2.3 | length 10.2
  Top Layer w0.35: R40.1 31.002,11.15 31.352,10.8 31.352,10.264 31.864,9.753 v1(31.864,9.504)
  Bottom Layer w0.35: T2.3 30.24,11.115 v1@31.852,9.504
NetR43_1: R43.1 T3.3 | length 10.1
  Top Layer w0.35: R43.1 14.771,23.256 15.046,22.981 15.046,22.554 15.633,21.968 v1(15.633,21.759)
  Bottom Layer w0.35: T3.3 14.021,23.371 v1(15.633,21.759)
NetR46_1: R46.1 T4.3 | length 9.8
  Top Layer w0.35: R46.1@14.5,11 14.725,11 15,10.725 15,10.299 15.587,9.712 v1@15.587,9.674
  Bottom Layer w0.35: T4.3 13.975,11.115 15.416,9.674 v1@15.587,9.674
  other v1: 15.587,9.504
NetSB1_1: SB1.1 SB1.5 | length 7
  Bottom Layer w0.5: SB1.1 9.924,-34.028 12.424,-31.528 SB1.5
"RS 232 IN1": X21.1 X25.1 | length 90.8
  Top Layer w0.5: X21.1@-52.265,-78.645 -52.265,-74.498 -46.297,-68.53 -46.297,-65.66 -40.776,-60.14 v1(-40.277,-60.14)
  Bottom Layer w0.5: X25.1 -77.749,-11.202 -74.594,-11.202 -70.728,-15.067 ccw(c0,0) v1@-40.371,-59.997
"RS 232 IN2": X22.1 X25.2 | length 58.7
  Bottom Layer w0.5: X25.2 -77.256,-8.846 -78.769,-7.333 -81.222,-7.333 -82.263,-8.375 -82.263,-28.568 -74.665,-36.166 X22.1
"RS 232 IN3": X23.1 X25.5 | length 41
  Bottom Layer w0.5: X23.1@-89.469,-29.902 -89.469,-29.475 -83.963,-23.969 -83.963,-7.671 -81.926,-5.633 -73.317,-5.633 X25.5
"RS 232 IN4": X24.1 X25.6 | length 31.3
  Top Layer w0.5: X24.1@-94.31,0.609 -76.769,0.609 -67.256,-8.904 X25.6
"RS 232 OUT1": X21.2 X25.3 | length 85.8
  Top Layer w0.5: X21.2@-55.263,-76.294 -47.147,-68.178 -47.147,-65.308 -41.512,-59.673 -41.512,-59.546 v1(-40.378,-58.413) v1@-40.378,-58.495
  Bottom Layer w0.5: X25.3 -74.756,-9.593 -69.74,-14.609 ccw(c0,0) v1@-40.425,-58.677
"RS 232 OUT2": X22.2 X25.4 | length 62.4
  Bottom Layer w0.5: X22.2@-76.751,-54.298 -75.659,-53.206 -75.659,-48.998 -75.659,-40.582 -75.659,-36.374 -83.113,-28.92 -83.113,-8.023 -81.574,-6.483 -74.967,-6.483 X25.4
"RS 232 OUT3": X23.2 X25.7 | length 44.1
  Bottom Layer w0.5: X23.2@-90.391,-26.206 -84.813,-20.628 -84.813,-7.319 -82.278,-4.783 -69.167,-4.783 X25.7
"RS 232 OUT4": X24.2 X25.8 | length 37.4
  Top Layer w0.5: X24.2@-93.978,4.405 -75.856,4.405 X25.8
TEST: R1.2 R2.2 R3.2 R4.2 R5.2 R6.2 R7.2 R8.2 R9.2 R10.2 R11.2 R12.2 R13.2 R14.2 R15.2 R16.2 R17.2 R18.2 R23.2 SB1.2 X5.4 | length 492.1
  Bottom Layer w0.5: -14.649,-66.915 -14.51,-66.777 X5.4 ; SB1.2 12.291,-35.811 12.291,-39.311 14.111,-41.131 14.111,-67.031
  Bottom Layer w1: R23.2@-68.461,-2.302 cw(c0,0) R1.2@-66.653,15.801 ; R1.2@-66.663,15.811 R1.2@-66.653,15.801 ; R18.2@-62.776,-27.412 ccw(c0,0) -46.317,-50.468 ; R16.2 -45.995,-50.468 -46.317,-50.468 ; -22.911,-64.398 -23.027,-64.514 ; 12.939,-67.267 ccw(c0,0) 14.111,-67.031 ; 15.278,-66.774 cw(c0,0) 14.111,-67.031 ; 26.489,63.17 26.459,63.14 -23.163,63.14 -23.193,63.17 -26.493,63.17 ccw(c0,0) R1.2@-66.653,15.801 ; 26.489,63.171 cw(c0,0) 45.224,-51.449 ; R12.2@35.534,-41.759 45.224,-51.449 ; 45.172,-51.495 ccw(c0,0) 45.224,-51.449 ; -46.317,-50.468 ccw(c0,0) -23.027,-64.514 ; -23.027,-64.514 ccw(c0,0) -14.649,-66.915 ccw(c0,0) 14.111,-67.031 ; 14.111,-67.031 ccw(c0,0) 45.224,-51.449
VIDEO1: R36.1 T1.2 T1.4 VD1.+ X26.4 | length 45.6
  Top Layer w0.35: T1.4 30.265,21.312 30.751,20.825 32.04,20.825 32.21,20.996 33.331,20.996 T1.2 33.647,21.758 33.047,22.358 33.047,23.132 32.697,23.482 R36.1
  Bottom Layer w0.35: VD1.+@27.231,35.271 30.09,32.413 33.289,32.413 35.172,30.529 35.172,26.906 33.647,25.381 T1.2 ; VD1.+ 27.231,38.229 29.188,40.185 29.188,48.349 30.013,49.175 32.575,49.175 X26.4
"VIDEO1 n": R24.2 R25.2 T1.5 X1.2 | length 37.4
  Top Layer w0.35: T1.5 26.147,29.076 26.897,28.326 R25.2 R24.2
  Bottom Layer w0.35: T1.5 24.215,27.379 24.215,7.908 28.148,3.976 28.606,3.976 X1.2
"VIDEO1 p": T1.1 X1.1 | length 41.9
  Bottom Layer w0.35: X1.1 23.515,5.256 23.515,28.836 25.516,30.837 32.122,30.837 T1.1
VIDEO2: R39.1 T2.2 T2.4 VD2.+ X26.3 | length 52.2
  Top Layer w0.35: T2.4 30.558,8.83 31.044,8.344 33.007,8.344 33.494,8.83 T2.2 33.94,9.068 32.777,10.231 R39.1
  Bottom Layer w0.35: T2.4 30.24,10.126 28.953,11.413 28.953,17.363 30.612,19.021 33.514,19.021 35.872,21.38 35.872,32.238 32.811,35.3 VD2.+ 32.811,38.258 31.136,39.933 31.136,43.386 X26.3
"VIDEO2 n": R26.2 R27.2 T2.5 X2.2 | length 36
  Top Layer w0.35: T2.5@26.452,16.494 T2.5@26.452,16.73 ; T2.5@26.452,16.744 27.202,15.994 R27.2 R26.2
  Bottom Layer w0.35: T2.5 26.44,10.987 28.953,8.474 28.953,8.297 33.585,3.665 33.585,-9.725 X2.2
"VIDEO2 p": T2.1 X2.1 | length 36.5
  Bottom Layer w0.35: X2.1 29.903,-11.25 31.428,-12.775 32.692,-12.775 35.465,-10.002 35.465,9.462 33.94,10.987 T2.1
VIDEO3: R42.1 T3.2 T3.4 VD3.+ X27.4 | length 43.8
  Top Layer w0.35: T3.4 14.339,21.086 14.825,20.599 16.114,20.599 16.284,20.77 17.405,20.77 T3.2 17.721,21.532 17.121,22.132 17.121,22.906 16.771,23.256 R42.1
  Bottom Layer w0.35: X27.4 14.825,49.425 13.513,49.425 12.825,48.737 12.825,45.602 14.835,43.593 14.835,37.465 13.16,35.79 VD3.+ 13.16,35.09 14.135,34.115 14.485,34.115 17.632,30.967 18.993,30.967 19.301,30.66 19.301,27.037 17.776,25.512 T3.2@17.776,21.442
"VIDEO3 n": R28.2 R29.2 T3.5 X3.2 | length 36.6
  Top Layer w0.35: T3.5 10.221,28.85 10.971,28.1 R29.2 R28.2
  Bottom Layer w0.35: T3.5 7.95,26.814 7.95,7.382 X3.2
"VIDEO3 p": T3.1 X3.1 | length 41.4
  Bottom Layer w0.35: X3.1 7.25,4.272 7.25,28.271 9.589,30.611 16.196,30.611 T3.1
VIDEO4: R45.1 T4.2 T4.4 VD4.+ X27.3 | length 51.6
  Top Layer w0.35: T4.4 14.293,8.83 14.872,8.25 16.649,8.25 17.228,8.83 T4.2 17.675,9.276 17.075,9.876 17.075,10.65 16.725,11 R45.1@16.5,11
  Bottom Layer w0.35: T4.4 12.688,10.117 12.688,17.363 13.825,18.5 17.292,18.5 20.001,21.209 20.001,30.95 18.231,32.72 VD4.+ 18.231,38.008 16,40.238 X27.3
"VIDEO4 n": R30.2 R31.2 T4.5 X4.2 | length 35.4
  Top Layer w0.35: T4.5 10.491,16.514 10.491,15.409 10.925,14.975 10.925,14.75 R30.2@12.575,14.75
  Bottom Layer w0.5: T4.5 10.175,11.093 11.775,9.493 11.775,9.104 16.41,4.469 16.41,-9.65 X4.2
"VIDEO4 p": T4.1 X4.1 | length 36.9
  Bottom Layer w0.35: X4.1 12.653,-11.25 14.178,-12.775 15.442,-12.775 19.2,-9.017 19.2,9.462 17.675,10.987 T4.1
pads on no net: SB1.6 VD1.- VD2.- VD3.- VD4.- X26.2 X26.6 X27.2 X27.6 X28.0 X31.2

## Polygon pours and split planes (outlines as drawn)
+48V on Bottom Layer "Bottom Layer-No Net" (solid, remove dead copper, pour order 15): -69.322,-2.704 cw(c-68.822,-2.684) -69.291,-2.51 cw(c-68.835,-2.302) -69.336,-2.319 cw(c-0.374,0) -67.514,15.916 cw(c-0.374,0) -27.079,63.623 cw(c-26.868,63.17) -26.868,63.67 -23.567,63.67 cw(c-23.567,63.17) -23.397,63.64 25.941,63.64 cw(c26.115,63.171) 26.308,63.633 cw(c-0.374,0) 68.626,0 cw(c-0.374,0) 45.181,-51.825 cw(c-0.373,0) 45.127,-51.872 cw(c-0.374,0) 13.84,-67.521 cw(c-0.374,0) -23.569,-64.985 cw(c-0.374,0) -47.029,-50.837 cw(c-0.374,0)
AGND on Bottom Layer "Bottom Layer-No Net 1" (solid, remove dead copper, pour order 11): 7,-15 38,-15 38,50.5 7,50.5
+48V on Bottom Layer "Top Layer-No Net" (solid, pour order 9): 21.108,-15.113 0.643,-15.113 0.643,-18.06 -5.004,-18.06 -5.004,-24.41 3.201,-24.41 21.108,-24.41
AGND on Top Layer "Bottom Layer-No Net 1" (solid, remove dead copper, pour order 17): 7,4.75 38,4.75 38,50.5 7,50.5
0V on Top Layer "0V_L01_P021" (solid, remove dead copper, pour order 21): -101,0 ccw(c0,0) 0,-101 ccw(c0,0) 101,0 ccw(c0,0) 0,101 ccw(c0,0)
0V on Top Layer "0V_L01_P018" (none, remove dead copper, pour order 18): -101,0 ccw(c0,0) 0,-101 ccw(c0,0) 101,0 ccw(c0,0) 0,101 ccw(c0,0)

## Keep-outs
Keep-Out Layer:
  circle w0.254: c0,0 r101
  lines w0.254: -12.37,85.936 -9.042,68.941 ; -12.368,85.936 cw(c-10.586,86.059) -10.711,87.84 ; -10.711,87.836 cw(c-0.006,-0.668) 10.166,87.899 cw(c10.042,86.117) 11.824,85.994 8.491,68.968 cw(c6.78,69.479) 6.903,67.697 ; -9.035,68.943 ccw(c-7.324,69.453) -7.447,67.672 ; -7.447,67.673 6.903,67.673

## Other copper
Top Layer:
  text ".Обозначение_PCB" at 63.3,-12.1 h5 r90

## Silkscreen, mask and mechanical layers (free items; w line width, h text height)
Top Overlay:
  drawing of 22 lines, arcs and shapes, not listed
  text ".Обозначение" at 72.6,-11.7 h5 r90
  text "№:" at 70.63,-18.391 h5 r90
Bottom Overlay:
  drawing of 14 lines, arcs and shapes, not listed
  text "LEDs:" at 1.194,-33.96 h1.5
  text "Green - OK" at 1.194,-36.525 h1.5
  text "Red - CHANGE FUSE" at 1.194,-39.116 h1.5
Mechanical 2:
  circle w0.254: c0,0 r101
  lines w0.254: -12.37,85.936 -9.042,68.941 ; -12.368,85.936 cw(c-10.586,86.059) -10.711,87.84 ; -10.711,87.836 cw(c-0.006,-0.668) 10.166,87.899 cw(c10.042,86.117) 11.824,85.994 8.491,68.968 cw(c6.78,69.479) 6.903,67.697 ; -9.035,68.943 ccw(c-7.324,69.453) -7.447,67.672 ; -7.447,67.673 6.903,67.673
Board:
  circle w0.254: c0,0 r101
  lines w0.254: -12.37,85.936 -9.042,68.941 ; -12.368,85.936 cw(c-10.586,86.059) -10.711,87.84 ; -10.711,87.836 cw(c-0.006,-0.668) 10.166,87.899 cw(c10.042,86.117) 11.824,85.994 8.491,68.968 cw(c6.78,69.479) 6.903,67.697 ; -9.035,68.943 ccw(c-7.324,69.453) -7.447,67.672 ; -7.447,67.673 6.903,67.673

## Text inside footprints (layer, text, board x,y; h text height)
X6: Bottom Overlay "A" at -83.097,28.751 h1.1 r66; Bottom Overlay "B" at -81.592,32.131 h1.1 r66; Bottom Overlay "48V" at -79.558,36.699 h1.1 r66; Bottom Overlay "0V" at -78.216,39.713 h1.1 r66; Bottom Overlay "E" at -76.914,42.637 h1.1 r66
X7: Bottom Overlay "A" at -68.912,54.401 h1.1 r47; Bottom Overlay "B" at -66.388,57.107 h1.1 r47; Bottom Overlay "48V" at -62.978,60.763 h1.1 r47; Bottom Overlay "0V" at -60.728,63.177 h1.1 r47; Bottom Overlay "E" at -58.545,65.517 h1.1 r47
X8: Bottom Overlay "E" at -33.624,80.694 h1.1 r28; Bottom Overlay "0V" at -36.449,79.191 h1.1 r28; Bottom Overlay "48V" at -39.363,77.642 h1.1 r28; Bottom Overlay "B" at -43.778,75.295 h1.1 r28; Bottom Overlay "A" at -47.044,73.558 h1.1 r28
X9: Bottom Overlay "A" at -20.797,85.379 h1.1 r9; Bottom Overlay "B" at -17.143,85.958 h1.1 r9; Bottom Overlay "48V" at -12.204,86.74 h1.1 r9; Bottom Overlay "0V" at -8.945,87.256 h1.1 r9; Bottom Overlay "E" at -5.784,87.757 h1.1 r9
X10: Bottom Overlay "A" at 8.459,87.507 h1.1 r349; Bottom Overlay "B" at 12.091,86.801 h1.1 r349; Bottom Overlay "48V" at 16.999,85.847 h1.1 r349; Bottom Overlay "0V" at 20.239,85.217 h1.1 r349; Bottom Overlay "E" at 23.38,84.607 h1.1 r349
X11: Bottom Overlay "A" at 36.108,79.937 h1.1 r330; Bottom Overlay "B" at 39.312,78.087 h1.1 r330; Bottom Overlay "48V" at 43.642,75.587 h1.1 r330; Bottom Overlay "0V" at 46.5,73.937 h1.1 r330; Bottom Overlay "E" at 49.271,72.337 h1.1 r330
X12: Bottom Overlay "A" at 60.526,63.984 h1.1 r311; Bottom Overlay "B" at 62.953,61.191 h1.1 r311; Bottom Overlay "48V" at 66.233,57.418 h1.1 r311; Bottom Overlay "0V" at 68.398,54.927 h1.1 r311; Bottom Overlay "E" at 70.498,52.512 h1.1 r311
X13: Bottom Overlay "A" at 77.585,40.918 h1.1 r292; Bottom Overlay "B" at 78.971,37.488 h1.1 r292; Bottom Overlay "48V" at 80.844,32.852 h1.1 r292; Bottom Overlay "0V" at 82.081,29.792 h1.1 r292; Bottom Overlay "E" at 83.279,26.825 h1.1 r292
X14: Bottom Overlay "A" at 86.527,13.198 h1.1 r273; Bottom Overlay "B" at 86.721,9.503 h1.1 r273; Bottom Overlay "48V" at 86.983,4.51 h1.1 r273; Bottom Overlay "0V" at 87.155,1.214 h1.1 r273; Bottom Overlay "E" at 87.323,-1.982 h1.1 r273
X15: Bottom Overlay "A" at 86.5,-14.599 h1.1 r255; Bottom Overlay "B" at 85.543,-18.173 h1.1 r255; Bottom Overlay "48V" at 84.249,-23.003 h1.1 r255; Bottom Overlay "0V" at 83.395,-26.19 h1.1 r255; Bottom Overlay "E" at 82.566,-29.281 h1.1 r255
X16: Bottom Overlay "A" at 77.276,-41.959 h1.1 r236; Bottom Overlay "B" at 75.207,-45.026 h1.1 r236; Bottom Overlay "48V" at 72.411,-49.171 h1.1 r236; Bottom Overlay "0V" at 70.566,-51.907 h1.1 r236; Bottom Overlay "E" at 68.776,-54.56 h1.1 r236
X17: Bottom Overlay "A" at 59.296,-64.313 h1.1 r218; Bottom Overlay "B" at 56.38,-66.591 h1.1 r218; Bottom Overlay "48V" at 52.44,-69.669 h1.1 r218; Bottom Overlay "0V" at 49.674,-71.792 h1.1 r218; Bottom Overlay "E" at 47.318,-73.671 h1.1 r218
X18: Bottom Overlay "E" at 21.57,-85.959 h1.1 r199; Bottom Overlay "0V" at 24.595,-84.917 h1.1 r199; Bottom Overlay "48V" at 27.716,-83.843 h1.1 r199; Bottom Overlay "B" at 32.443,-82.215 h1.1 r199; Bottom Overlay "A" at 35.942,-81.01 h1.1 r199
X19: Bottom Overlay "A" at 6.97,-87.583 h1.1 r180; Bottom Overlay "B" at 3.271,-87.584 h1.1 r180; Bottom Overlay "48V" at -1.728,-87.583 h1.1 r180; Bottom Overlay "0V" at -5.028,-87.583 h1.1 r180; Bottom Overlay "E" at -8.228,-87.583 h1.1 r180
X20: Bottom Overlay "A" at -21.258,-84.816 h1.1 r161; Bottom Overlay "B" at -24.755,-83.61 h1.1 r161; Bottom Overlay "48V" at -29.482,-81.982 h1.1 r161; Bottom Overlay "0V" at -32.602,-80.908 h1.1 r161; Bottom Overlay "E" at -35.628,-79.866 h1.1 r161
X21: Bottom Overlay "A" at -48.745,-73.454 h1.1 r142; Bottom Overlay "B" at -51.66,-71.176 h1.1 r142; Bottom Overlay "48V" at -55.6,-68.097 h1.1 r142; Bottom Overlay "0V" at -58.201,-66.066 h1.1 r142; Bottom Overlay "E" at -60.722,-64.096 h1.1 r142
X22: Bottom Overlay "A" at -69.442,-53.594 h1.1 r123; Bottom Overlay "B" at -71.458,-50.491 h1.1 r123; Bottom Overlay "48V" at -74.181,-46.297 h1.1 r123; Bottom Overlay "0V" at -75.978,-43.53 h1.1 r123; Bottom Overlay "E" at -77.721,-40.846 h1.1 r123
X23: Bottom Overlay "A" at -83.272,-27.853 h1.1 r104; Bottom Overlay "B" at -84.167,-24.263 h1.1 r104; Bottom Overlay "48V" at -85.376,-19.412 h1.1 r104; Bottom Overlay "0V" at -86.175,-16.21 h1.1 r104; Bottom Overlay "E" at -86.949,-13.105 h1.1 r104
X24: Bottom Overlay "IN" at -86.444,-0.783 h1.1 r355; Bottom Overlay "OUT" at -85.182,2.717 h1.1 r355; Bottom Overlay "48V" at -84.682,7.287 h1.1 r355; Bottom Overlay "0V" at -84.682,11.026 h1.1 r355; Bottom Overlay "E" at -85.182,14.878 h1.1 r355
X28: Top Overlay "E" at 33.362,-26.662 h1.52 r180; Top Overlay "+48V" at 14.439,-26.637 h1.52 r180; Top Overlay "0V" at 26.479,-26.688 h1.52 r180